# Altium PCB Control_Board_Model_C204.PcbDoc (part 4 of 6)
Units mm, origin at the board's own origin, x right, y up, seen from the top; angles counter-clockwise.
Board outline 50 x 50 mm, 8 copper layers (1-Top, 2-GND, 3-SIGNAL, 4-PWR, 5-GND, 6-SIGNAL, 7-GND, 8-Bottom), stack 0.972 mm thick; 432 components, 324 nets, 1521 pads, 1172 vias.
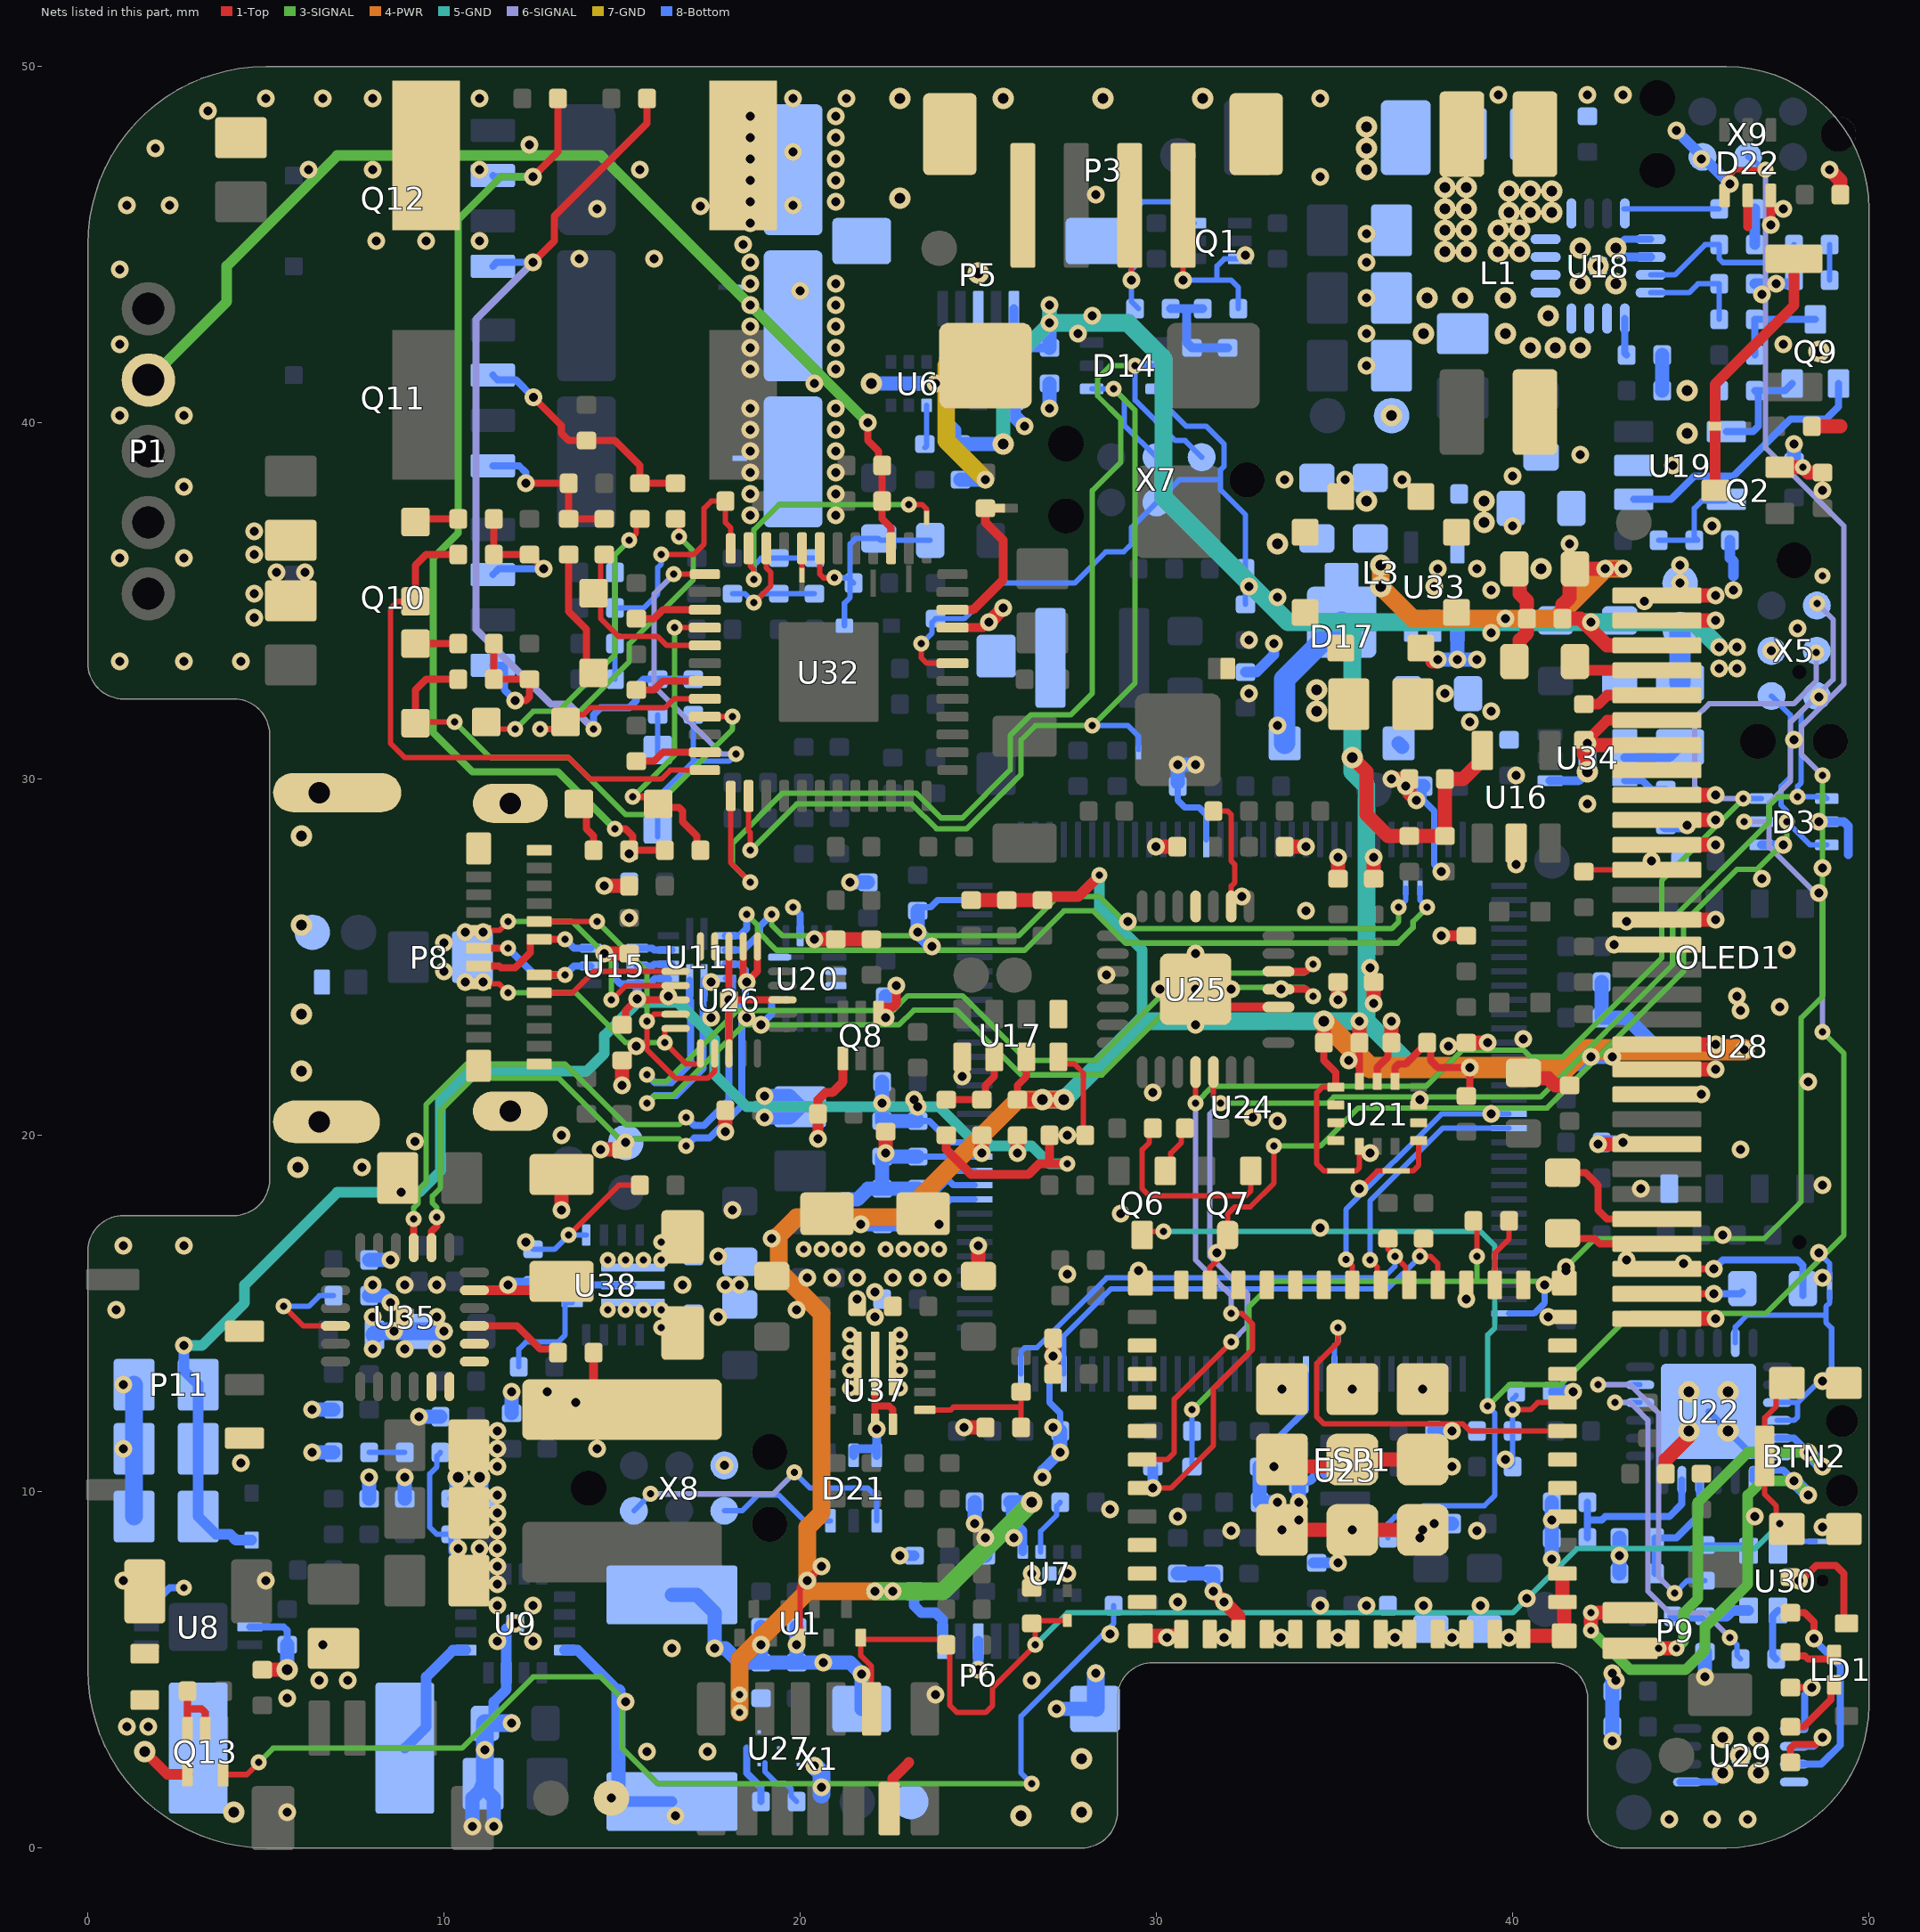
[diagram p10: the nets of this part, all layers, seen from the top]

## Via types
v1: diameter 0.45, hole 0.2, 1-Top to 8-Bottom, tented both sides, 333 vias
v2: diameter 0.5, hole 0.25, 7-GND to 8-Bottom, tented bottom, 258 vias
v3: diameter 0.6, hole 0.3, 1-Top to 8-Bottom, tented both sides, 236 vias
v4: diameter 0.5, hole 0.25, 1-Top to 2-GND, tented top, 231 vias
v5: diameter 0.5, hole 0.25, 1-Top to 8-Bottom, tented both sides, 113 vias
v6: diameter 0.45, hole 0.2, 1-Top to 2-GND, tented top, 1 vias

## Nets (pads, with @x,y where several pads share a name; then routed paths per layer and width w, separated by ;. In a path a pad name is that pad's centre, name@x,y a point inside that pad or via, vN(x,y) a via of type N, cw(c..) or ccw(c..) an arc to the next point about the centre after c; other vN are vias at no path point) (continued)
+3V3_AUX: C36.1 C37.1 C41.2 C42.2 C64.2 C66.2 C79.2 C80.1 C122.2 C157.1 NT6.2 P5.5 P6.5 R1.2 R2.2 R3.2 R4.2 R16.1 R17.1 R18.1 R91.1 R160.2 R174.2 TP8.1 U6.5 U7.5 U16.5 U17.7 U21.5 U21.8 U27.4 U34.1 | length 145.8
  1-Top w0.152: NT6.2@35,19 34.7,19 34.5,19.2 34.5,21.2 34.65,21.35 U21.8@35.037,21.35
  1-Top w0.2: C66.2@26.1,21 26.1,21.4 26.35,21.65 U17.7@26.35,22.2 ; C80.1@34.7,22.6 34.7,22.1 35.037,21.763 U21.8@35.037,21.35 ; U21.5@36.7,21.513 36.7,21.9 36.8,22 37,22 C79.2@37.6,22.6 37.7,22.5 37.7,22.1 37.9,21.9 v5(38.8,21.9) 38.8,21.2 R18.1@38.7,21.1
  1-Top w0.3: R91.1@26.8,26.6 26.9,26.7 27.8,26.7 v1(28.4,27.3)
  1-Top w0.4: R3.2@24.8,26.6 R4.2@25.8,26.6 R91.1@26.8,26.6 ; C66.2@26.1,21 v3@26.7,21 ; v3(26.8,21) v3(27.4,21) ; C80.1@34.7,22.6 v3(34.7,23.2) ; v3(35.5,30.6) 35.9,30.2 35.9,29 36.498,28.402 37.1,28.402 R1.2@37.1,28.4 R2.2@38.1,28.4 C64.2@38.1,30 38.6,30 39.15,30.55 U16.5@39.15,30.8
  3-SIGNAL w0.5: v5(22.1,7.2) v5(22.6,7.2) 24,7.2 v3(26.5,9.7)
  4-PWR w0.5: v1(18.3,3.8) v1(18.3,4.3) 18.3,5.3 20.2,7.2 ; v5(22.6,7.2) v5(22.1,7.2) 20.2,7.2 ; v3(27.4,21) v3(26.8,21) 26.1,21 22.8,17.7 19.9,17.7 19.4,17.2 19.4,16.2 20.6,15 20.6,9.4 20.2,9 20.2,7.2
  4-PWR w0.6: v3(34.7,23.2) 36,21.9 v5(38.8,21.9) 41.5,21.9 42,22.4 v5(46.5,22.4)
  5-GND w0.3: v1(28.4,27.3) 28.4,26.4 29.6,25.2 29.6,23.2
  5-GND w0.4: v3(25.7,39.4) 25.7,41.5 v5(27,42.8) v5(27,43.3)
  5-GND w0.5: v3(26.8,21) v3(27.4,21) 29.6,23.2 v3(34.7,23.2) 35.9,23.2 ; v5(27,42.8) 29.2,42.8 30.2,41.8 30.2,37.9 33.7,34.4 35.5,34.4 ; v5(38.8,21.9) 37.2,21.9 35.9,23.2 ; v5(45.8,33.7) 45.1,34.4 35.5,34.4 ; 35.5,34.4 v3(35.5,30.6) 35.5,30.2 35.9,29.8 35.9,23.2
  8-Bottom w0.2: 18.5,2.8 18.5,2.1 18.9,1.7 R160.2@18.9,1.3
  8-Bottom w0.25: U6.5@24.05,40.49 24.05,40.15 24.4,39.8 24.4,39.5 C36.1@24.5,39.4 ; C37.1@25.9,9.7 25.9,9.25 26.25,8.9 U7.5@26.25,8.31 ; P5.5@26,43.2 26,42.5 26.4,42.1 C41.2@27,42.1
  8-Bottom w0.3: C42.2@23.2,7.2 23.2,6.8 23.4,6.6 23.8,6.6 24,6.4 P6.5@24,5.8
  8-Bottom w0.4: v5(22.1,7.2) v5(22.6,7.2) C42.2@23.2,7.2 ; C36.1@24.5,39.4 v3(25.7,39.4) ; C37.1@25.9,9.7 v3(26.5,9.7) ; C41.2@27,42.1 v5(27,42.8) v5(27,43.3) ; R16.1@42.5,24.3 R17.1@42.5,23.3 43.2,23.3 44.1,22.4 v5(46.5,22.4)
  8-Bottom w0.6: R174.2@44.7,32.7 TP8.1@44.7,34.2
  other v5: 45.8,33.1 46.3,33.1 46.3,33.7
\CP2102_RST: R106.2 U25.9 | length 3.2
  1-Top w0.152: R106.2@31.6,29.1 32,29.1 32.1,29 32.1,27.7 32.2,27.6 32.2,27.1 32.1,27 U25.9@32.1,26.424
\ESP32_RST: C109.2 ESP1.8 R107.1 R108.2 | length 3.6
  1-Top w0.152: v1(40,12.3) 40.5,12.3 40.7,12.5 ESP1.8@41.4,12.5
  8-Bottom w0.152: R108.2@39.9,10.7 40,10.8 v1(40,12.3) 40,12.6 C109.2@40.1,12.7
\RST: D3.5 Q6.3 R56.2 R107.2 X5.1 | length 54.3
  1-Top w0.152: Q6.3@29.6,17.2 29.7,17.3 v1(30.2,17.3)
  3-SIGNAL w0.152: v1(39.3,12.4) 39.9,13 41.341,13 43.341,15 47.1,15 49.3,17.2 49.3,22.3 v1(48.7,22.9)
  6-SIGNAL w0.152: v1(46.5,28.8) 47.2,28.8 ; v1(48.55,34.925) 48.995,34.48 48.995,32.795 47.8,31.6 47.8,29.941 47.2,29.341 47.2,28.8 ; v1(48.7,22.9) 48.7,26.6 47.2,28.1 47.2,28.8
  5-GND w0.152: v1(30.2,17.3) 39.1,17.3 39.5,16.9 39.5,14.6 39.3,14.4 v1(39.3,12.4)
  8-Bottom w0.152: R56.2@36.5,8.7 36.5,9.1 36.7,9.3 37.2,9.3 37.504,9.604 38.593,9.604 38.597,9.6 39.003,9.6 39.007,9.604 39.204,9.604 39.5,9.9 39.5,11.7 ; R107.2@39,11.7 39.5,11.7 ; v1(39.3,12.4) 39.5,12.2 39.5,11.7 ; v1(46.5,28.8) D3.5@46.98,28.8 ; v1(48.55,34.925) 48.59,34.925 X5.1@48.6,34.935
\STM32_RST: D22.1 R15.2 R55.1 R105.1 X9.3 | length 56.8
  1-Top w0.152: R55.1@38.9,17.6 39,17.5 v1(39,16.6) ; D22.1@45.95,46.38 45.95,46.815 46.235,47.1 v1(47.1,47.1)
  3-SIGNAL w0.152: v1(31,12.3) 32.6,13.9 32.6,15.2 33.3,15.9 39,15.9 ; v1(39,16.6) 39,15.9 ; v1(48.7,30.1) 48.7,23.9 48.1,23.3 48.1,18.141 47.059,17.1 42.3,17.1 41.1,15.9 39,15.9
  6-SIGNAL w0.152: v1(47.1,47.1) 47.1,39.3 49.3,37.1 49.3,32.669 48.105,31.474 48.105,30.695 v1(48.7,30.1)
  8-Bottom w0.152: R105.1@31,10.7 R15.2@31,11.7 v1(31,12.3) ; X9.3@46.6,47.465 v1(47.1,47.1)
\SUSP_B: U25.11
`NRST: C137.2 D14.6 R165.1 R166.2 U32.7 X7.3 | length 19.7
  1-Top w0.152: v1(23.4,33.8) 23.4,33.4 23.55,33.25 U32.7@24.275,33.25
  8-Bottom w0.152: v1(23.4,33.8) 23.7,34.1 23.7,34.4 C137.2@23.8,34.5 24.6,34.5 25.6,35.5 27.7,35.5 28.578,36.378 29.078,36.378 29.3,36.6 29.3,37.065 X7.3@30,37.765 30.635,38.4 31.799,38.4 ; D14.6@30.02,40.95 30.15,40.95 30.2,40.9 30.2,40.535 30.835,39.9 31.4,39.9 31.9,39.4 31.9,38.785 31.8,38.685 31.8,38.401 31.8,38.117 32.5,37.417 R166.2@32.5,35.9 R165.1@32.5,34.9
`SWD_CLK: D14.1 J11.1 U32.38 X7.4 | length 28.8
  1-Top w0.152: v1(18.6,28) 18.6,28.5 18.55,28.55 U32.38@18.55,29.525 U32.38@18.6,29.475
  3-SIGNAL w0.152: v1(18.6,28) 19.9,29.3 23.131,29.3 23.826,28.605 24.674,28.605 26.2,30.131 26.2,31.1 26.6,31.5 v1(28.2,31.5) 29.4,32.7 29.4,40.35 v1(28.8,40.95)
  8-Bottom w0.152: D14.1@28.18,40.95 v1(28.8,40.95) 29.096,40.654 29.096,39.939 X7.4@30,39.035 ; v1(28.2,31.5) 29.2,31.5 29.5,31.2 J11.1@29.5,30.832
`SWD_IO: D14.5 U32.37 X7.2 | length 31.7
  1-Top w0.152: U32.37@18.05,29.525 18.05,27.65 v1(18.6,27.1)
  3-SIGNAL w0.152: v1(18.6,27.1) 18.1,27.6 18.1,28.2 19.504,29.604 23.257,29.604 23.952,28.909 24.548,28.909 25.896,30.257 25.896,31.226 26.474,31.804 27.6,31.804 28.2,32.404 28.2,38.1 29,38.9 29,40.1 28.347,40.753 28.347,41.247 28.7,41.6 v1(29.4,41.6)
  8-Bottom w0.152: D14.5@30.02,41.6 v1(29.4,41.6) 29.4,40.63 30.53,39.5 30.805,39.5 X7.2@31.27,39.035
BLDC_TS: C138.2 P1.4 R168.1 U32.15 | length 30.3
  1-Top w0.203: v5(21.9,40) 21.9,39.5 22.2,39.2 22.2,38.9 R168.1@22.3,38.8 C138.2@22.3,37.8 22.3,37.3 22.55,37.05 U32.15@22.55,36.475
  3-SIGNAL w0.3: P1.4@1.7,41.2 3.9,43.4 3.9,44.4 7,47.5 14.4,47.5 v5(21.9,40)
CLKOUT: U17.1
CONN_CC1: P8.A5 U26.4 U26.7 | length 9.5
  1-Top w0.152: P8.A5@12.67,26 v1(14.3,26) ; U26.4@16.5,23.4 15.9,23.4 v1(15.7,23.2) 15.7,22.4 16.5,21.6 17.4,21.6 17.6,21.8 U26.7@17.6,22.3
  3-SIGNAL w0.152: v1(14.3,26) 15.7,24.6 v1(15.7,23.2)
CONN_CC2: P8.B5 U26.5 U26.6 | length 8.2
  1-Top w0.152: P8.B5@10.97,24.25 11.55,24.25 v1(11.8,24) ; U26.5@16.5,23 16.2,23 v1(16.2,22.6) 16.8,22 17.2,22 U26.6@17.2,22.3
  3-SIGNAL w0.152: v1(11.8,24) 13.7,24 15.1,22.6 v1(16.2,22.6)
CONN_D_N: P8.A7 P8.B7 U15.5 | length 4.3
  1-Top w0.2: P8.B7@10.97,25.25 v1(11.8,25.25) ; P8.A7@12.67,24.5 v1(13.4,24.5)
  8-Bottom w0.2: v1(11.8,25.25) 12.55,24.5 v1(13.4,24.5) 13.65,24.75 U15.5@14.125,24.75
CONN_D_P: P8.A6 P8.B6 U15.6 | length 3.8
  1-Top w0.2: P8.B6@10.97,24.75 11.55,24.75 11.6,24.7 12,24.7 12.425,25.125 12.425,25.5 P8.A6@12.67,25.5 v1(13.4,25.5)
  8-Bottom w0.2: v1(13.4,25.5) 13.65,25.25 U15.6@14.125,25.25
CONN_SBU1: P8.A8 U26.1 | length 4.1
  1-Top w0.152: P8.A8@12.67,24 13.6,24 14.2,24.6 U26.1@16.5,24.6
CONN_SBU2: P8.B8 U26.2 | length 7.4
  1-Top w0.152: P8.B8@10.97,25.75 11.55,25.75 v1(11.8,26) ; v1(14.7,23.8) 15.1,24.2 U26.2@16.5,24.2
  3-SIGNAL w0.152: v1(11.8,26) 13.6,26 14.7,24.9 v1(14.7,23.8)
D1_N: NT2.2 U11.4 | length 21.8
  3-SIGNAL w0.152: v1(19.2,26.2) 19.2,25.9 19.5,25.6 26.131,25.6 27.233,26.702 28.398,26.702 29.3,25.8 36.6,25.8 36.8,26 v1(36.8,26.4)
  8-Bottom w0.152: v1(36.8,26.4) 37,26.6 NT2.2@37,26.944
  8-Bottom w0.2: U11.4@17.9,25.2 18.402,25.2 18.855,25.653 18.855,25.855 v1(19.2,26.2)
D1_P: NT1.2 U11.3 | length 22.7
  3-SIGNAL w0.152: v1(18.5,26.2) 18.798,25.902 18.798,25.733 19.333,25.198 26.298,25.198 27.4,26.3 28.231,26.3 29.133,25.398 36.767,25.398 37.202,25.833 37.202,26.002 v1(37.6,26.4)
  8-Bottom w0.152: NT1.2@37.4,26.944 37.4,26.6 v1(37.6,26.4)
  8-Bottom w0.2: U11.3@17.9,25.6 18.3,25.6 18.5,25.8 v1(18.5,26.2)
D2_N: U11.6 U35.3 | length 17.8
  1-Top w0.2: U35.3@9.15,16.85 v1(9.15,17.65)
  3-SIGNAL w0.152: v1(9.15,17.65) 9.15,17.976 9.274,18.1 9.274,18.467 9.498,18.69 9.498,20.867 10.633,22.002 13.398,22.002 15.099,20.301 16.601,20.301 v1(16.8,20.5)
  8-Bottom w0.2: v1(16.8,20.5) 17.022,20.278 17.3,20.278 18,20.977 18,23.9 18.1,24 U11.6@18.1,24.4
D2_P: U11.5 U35.2 | length 18.6
  1-Top w0.2: U35.2@9.65,16.85 9.65,17.3 9.8,17.45 v1(9.8,17.7)
  3-SIGNAL w0.152: v1(9.8,17.7) 9.8,17.976 9.676,18.1 9.676,18.3 9.9,18.524 9.9,20.7 10.8,21.6 13.231,21.6 14.932,19.899 16.601,19.899 v1(16.8,19.7)
  8-Bottom w0.2: v1(16.8,19.7) 17.022,19.923 17.447,19.923 18.355,20.83 18.355,23.753 18.455,23.853 18.455,24.645 18.3,24.8 U11.5@17.9,24.8
D3_N: U11.8 U25.5 | length 26.6
  1-Top w0.2: U25.5@33.424,24.6 34.2,24.6 v1(34.4,24.8)
  3-SIGNAL w0.152: v1(15.7,21.7) 15.9,21.5 16.231,21.5 18.233,23.502 22.602,23.502 23.018,23.918 24.551,23.918 26.369,22.1 28.3,22.1 30.751,24.551 34.151,24.551 v1(34.4,24.8)
  8-Bottom w0.2: v1(15.7,21.7) 15.924,21.476 16.378,21.476 16.922,22.021 16.922,23.778 16.9,23.8 U11.8@16.9,24.35
D3_P: U11.7 U25.4 | length 27.2
  1-Top w0.2: U25.4@33.424,24.1 34.2,24.1 v1(34.4,23.9)
  3-SIGNAL w0.152: v1(15.7,20.898) 15.9,21.098 16.398,21.098 18.4,23.1 22.769,23.1 23.185,23.515 24.385,23.515 26.202,21.698 28.467,21.698 30.918,24.149 34.151,24.149 v1(34.4,23.9)
  8-Bottom w0.2: v1(15.7,20.898) 15.924,21.121 16.525,21.121 17.277,21.874 17.277,23.778 17.3,23.8 U11.7@17.3,24.35
D_N: U11.10 U15.2 | length 1
  8-Bottom w0.2: U15.2@15.425,24.75 15.85,24.75 15.9,24.8 U11.10@16.4,24.8
D_P: U11.11 U15.1 | length 1
  8-Bottom w0.2: U15.1@15.425,25.25 15.85,25.25 15.9,25.2 U11.11@16.4,25.2
DEBUG.CTS/TMS: D21.4 X8.2 | length 8.2
  6-SIGNAL w0.152: v1(15.8,9.935) 19.235,9.935 v1(19.836,10.536)
  8-Bottom w0.152: X8.2@15.33,9.465 v1(15.8,9.935) ; v1(19.836,10.536) 20.268,10.105 21.895,10.105 22.15,9.85 D21.4@22.15,9.18
DEBUG.RTS/TDO: D21.6 X8.6 | length 3.5
  8-Bottom w0.152: X8.6@17.87,9.465 18.365,9.465 18.8,9.9 19.4,9.9 20.12,9.18 D21.6@20.85,9.18
EVI: R93.2 U17.8 | length 2.7
  1-Top w0.152: U17.8@27.25,22.2 27.45,22 27.7,22 27.946,21.754 27.946,20.054 R93.2@28,20
GND: BTN2.2 C1.1 C2.1 C3.2 C4.1 C5.2 C6.1 C7.1 C8.2 C9.2 C10.2 C11.2 C12.2 C13.2 C14.2 C15.2 C16.1 C35.1 C36.2 C37.2 C39.1 C40.1 C41.1 C42.1 C44.1 C45.1 C46.1 C47.1 C48.2 C49.2 C51.1 C58.1 C59.2 C60.1 C61.1 C62.1 C63.1 C64.1 C65.1 C66.1 C67.1 C68.1 C69.1 C70.1 C71.1 C72.1 C74.1 C75.1 C76.1 C77.2 C78.2 C79.1 C80.2 C81.1 C82.1 C83.1 C84.1 C85.1 C86.1 C87.1 C88.2 C89.1 C90.2 C91.1 C92.2 C93.1 C94.2 C95.2 C96.2 C97.1 C98.1 C99.1 C100.1 C101.2 C102.1 C103.1 C104.1 C105.1 C106.1 C107.1 C108.1 C109.1 C110.1 C111.1 C112.1 C116.2 C117.2 C118.1 C119.1 C121.1 C122.1 C123.1 C124.1 C125.1 C126.1 C127.2 C128.2 C130.1 C131.2 C133.2 C134.1 C150.1 C151.2 C153.1 C154.2 C155.2 C156.2 C157.2 C159.2 C163.1 C164.1 C165.1 C166.1 C167.1 C168.1 C169.1 C173.1 C174.1 C175.1 C176.1 C177.1 C178.1 C179.1 C180.1 D3.2 D3.4 D4.2 D19.2 D20.2 D21.2 D21.3 D22.2 D22.3 ESP1.1 ESP1.2 ESP1.11 ESP1.14 ESP1.36 ESP1.37 ESP1.38 ESP1.39 ESP1.40 ESP1.41 ESP1.42 ESP1.43 ESP1.44 ESP1.45 ESP1.46 ESP1.47 ESP1.48 ESP1.49 ESP1.50 ESP1.51 ESP1.52 ESP1.53 J3.1 J5.1 J6.1 J8.1 L1.4 L3.1 NT4.1 NT5.1 NT7.2 OLED1.1 OLED1.8 OLED1.10 OLED1.11 OLED1.12 OLED1.16 OLED1.17 OLED1.20 OLED1.21 OLED1.22 OLED1.23 OLED1.24 OLED1.25 OLED1.29 OLED1.30 P3.1 P3.S1 P3.S2 P5.0 P5.3 P6.0 P6.3 P8.A1 P8.A12 P8.B1 P8.B12 P8.S1 P8.S2 P8.S3 P8.S4 P11.3 Q2.2 Q8.1 Q8.4 Q13.1 R7.2 R27.2 R72.1 R74.1 R75.1 R76.1 R77.1 R78.1 R79.1 R80.1 R81.1 R82.1 R83.2 R84.2 R88.1 R89.1 R90.1 R94.1 R96.2 R97.2 R98.1 R102.2 R135.1 R136.1 R148.1 R156.1 R161.2 R172.1 R173.2 R175.2 R176.2 R178.1 R182.1 R184.1 TP13.1 TP14.1 TP15.1 TP16.1 TP17.1 TP18.1 U1.3 U6.9 U7.9 U8.2 U9.7 U9.17 U11.9 U15.3 U16.2 U17.5 U18.5 U18.6 U18.10 U18.11 U18.12 U18.13 U18.14 U18.17 U19.2 U20.9 U20.14 U21.6 U21.7 U22.24 U22.25 U23.2 U24.12 U24.30 U24.42 U24.46 U24.63 U24.78 U24.94 U24.110 U24.127 U25.3 U25.29 U26.8 U26.13 U26.16 U26.17 U26.18 U26.21 U27.2 U27.5 U28.4 U29.5 U29.9 U30.3 U33.2 U34.4 U34.7 U35.17 U35.18 U35.25 U37.2 U37.9 U37.10 U38.2 U38.9 U38.10 X1.9 X5.4 X8.5 X9.5 | length 213.4
  1-Top w0.152: U1.3@20,5.9 20,7.3 ; v4(35.7,18.5) 36.2,19 NT7.2@36.544,19
  1-Top w0.2: U26.8@18,22.3 v4(18,23.8) ; U26.18@18,25.3 v4(18,23.8) ; U26.17@18.4,25.3 18.4,24.4 v4(18.5,24.3) 18.8,24.6 U26.16@18.8,25.3 ; U26.13@19.5,23.8 v4(18,23.8) ; 20,7.3 v4(20.2,7.5) v4(20.6,7.9) ; U37.9@22.1,11.895 22.1,12.4 ; U37.2@22.1,13.6 22.1,12.4 ; U37.10@22.6,11.895 22.6,12.3 22.502,12.398 22.102,12.398 22.1,12.4 ; U21.7@35.7,21.513 C80.2@35.7,22.6 ; U21.6@36.2,21.513 36.2,21.9 36.5,22.2 36.5,22.5 C79.1@36.6,22.6
  1-Top w0.25: R81.1@20.5,20.6 20.5,21 20.7,21.2 20.9,21.2 21.2,21.5 Q8.1@21.2,22.16 ; Q8.4@22.2,23.44 22.2,23.6 22.6,23.6 22.7,23.7 v4(22.7,24.2) ; v4(31.1,24.1) 31.6,23.6 U25.3@33.424,23.6 ; 46.6,45.5 D22.2@46.6,46.38 ; v4(47.25,45.55) D22.3@47.25,46.38
  1-Top w0.3: v3(1.6,2.7) 2.24,2.06 Q13.1@2.8,2.06 ; v4(20.5,19.9) R81.1@20.5,20.6 ; X1.9@22.5,1.1 22.6,1.2 22.6,1.95 23.05,2.4 ; v4(38,25.6) C1.1@38.6,25.6 ; R161.2@42,31.1 42.1,31.1 42.65,31.65 OLED1.25@44.05,31.65
  1-Top w0.4: R156.1@4.9,5 v3(5.6,5) ; v4(13.3,17.9) C2.1@13.3,18.6 ; v4(14.4,19.6) R88.1@15,19.6 ; v4(14.5,25.1) R83.2@15.2,25.1 ; v4(14.5,27) R84.2@15.2,27 ; v4(15,21.4) C108.1@15,22.1 ; v4(17.9,20.1) C107.1@17.9,20.7 ; v4(20.4,25.5) C58.1@21,25.5 R82.1@22,25.5 ; v4(22.4,19.5) C60.1@22.4,20.1 ; v4(24.55,21.65) U17.5@24.55,22.2 ; v4(24.6,11.8) R182.1@25.2,11.8 ; C176.1@25,16.05 v4(25,16.9) ; v4(25.1,19.5) C65.1@25.1,20 ; v4(26.1,19.5) C66.1@26.1,20 ; C14.2@27.1,13.3 C61.1@27.1,14.3 ; ESP1.51@29.5,15.8 ESP1.51@29.55,15.85 ; ESP1.50@29.55,5.95 30.65,5.95 ESP1.36@30.7,6 ; v4(29.984,28.1) C10.2@30.584,28.1 ; v4@31.8,7 32.3,6.5 ESP1.38@32.3,6 ; v5(33.3,10.7) 35.3,10.7 ESP1.49@35.5,10.9 ESP1.49@37.475,10.9 ; v4(33.525,8.925) v4(35.5,8.925) v4(37.475,8.925) ; C102.1@33.6,28.1 v4(34.2,28.1) ; v4(35.1,23.8) C103.1@35.1,24.3 ; C106.1@35.1,27.2 v4(35.1,27.8) ; C80.2@35.7,22.6 v4(35.7,23.2) ; v4(36.1,23.7) C104.1@36.1,24.3 ; C105.1@36.1,27.2 v4(36.1,27.8) ; C79.1@36.6,22.6 v4(36.6,23.2) ; v4(36.6,30) C64.1@37.1,30 37.1,29.6 v4(37.3,29.4) ; R7.2@38.7,22.6 v4(39.3,22.6) ; C130.1@40.05,33.3 40.2,33.45 40.2,33.9 40.4,34.1 C133.2@40.4,34.5 40.4,35 40.2,35.2 40.2,35.75 C131.2@40.05,35.9 ; ESP1.48@40.3,6 40.35,5.95 ESP1.53@41.45,5.95 41.45,6.85 ESP1.1@41.4,6.9 ESP1.2@41.4,7.7 ; C127.2@40.3,21.75 40.45,21.6 41,21.6 41.2,21.4 C128.2@41.6,21.4 ; v3(42.1,30.2) 42.1,30.6 42,30.7 R161.2@42,31.1 42.15,30.95 OLED1.24@44.05,30.95 ; v4(42.4,19.75) OLED1.8@44.05,19.75 ; v4(42.85,25.35) OLED1.16@44.05,25.35 ; OLED1.1@44.05,14.85 v4(45.7,14.85) ; OLED1.10@44.05,21.15 v4(45.3,21.15) ; OLED1.11@44.05,21.85 v4(45.7,21.85) ; OLED1.12@44.05,22.55 v4(45.7,22.55) ; OLED1.17@44.05,26.05 v4(45.7,26.05) ; OLED1.20@44.05,28.15 v4(45.7,28.15) ; OLED1.21@44.05,28.85 v4(45.7,28.85) ; OLED1.22@44.05,29.55 v4(45.7,29.55) ; OLED1.29@44.05,34.45 v4(45.7,34.45) ; OLED1.30@44.05,35.15 v4(45.7,35.15) ; C84.1@44.3,10.5 44.3,10.9 44.95,11.55 v3(44.95,11.7) ; Q2.2@47.5,38.75 v6(48.15,38.75) 48.3,38.6 R27.2@48.7,38.6 ; C5.2@48.4,39.9 49.2,39.9 ; v5(48.9,47.1) 49.2,46.8 C169.1@49.2,46.4
  7-GND w0.5: 24.1,41.6 24.1,39.5 v2(25.2,38.4)
  8-Bottom w0.152: v2(48.6,16.7) 48.9,16.4 NT5.1@48.9,15.956 ; NT4.1@48.856,8.6 49.5,8.6
  8-Bottom w0.18: C99.1@23.3,20.4 23.63,20.4 24.23,19.8 U24.46@24.9,19.8 ; C96.2@23.3,26.3 23.4,26.4 23.655,26.4 23.855,26.6 U24.63@24.9,26.6 ; v2(23.9,17.5) 23.9,17.9 24.2,18.2 U24.42@24.9,18.2 ; U24.30@27,13.3 27,12.5 27.3,12.2 C89.1@27.3,11.7 ; C94.2@30.6,29.8 30.6,29.4 30.8,29.2 31.2,29.2 31.4,29 U24.78@31.4,28.3 ; C91.1@32.9,10.7 v5(33.3,10.7) 33.3,11.1 33.483,11.283 33.483,11.583 34.2,12.3 U24.12@34.2,13.3 ; C92.2@37.5,29.8 37.5,29.4 37.8,29.1 U24.94@37.8,28.3 37.8,27.6 v2(38,27.4) ; v2(38,27.4) v2@38.099,27.3 ; U24.127@39.9,15 40.6,15 40.9,15.3 v2(40.9,15.8) ; U24.110@39.9,21.8 40.8,21.8 41,22 C90.2@41.5,22 ; U22.25@45.5,12.25 v3(46.05,11.7) 46.75,11 U22.24@47.425,11
  8-Bottom w0.2: U8.2@4.55,6.2 4.55,6.198 5.502,6.198 5.6,6.1 C4.1@5.6,5.7 ; R74.1@10.2,9.8 R74.1@10.3,9.9 ; v3@10.3,10.3 v3(10.4,10.4) ; v3(11,10.4) v3@11.1,10.3 ; C44.1@11.1,9.9 C44.1@11.2,9.8 ; R184.1@12.5,15.8 13,15.8 ; U38.10@13.595,16.3 13.1,16.3 13,16.2 13,15.8 ; 14.8,24.8 14.8,24.4 14.95,24.25 U15.3@15.425,24.25 15.775,24.25 15.925,24.4 U11.9@16.3,24.4 v2(16.3,23.9) ; U38.2@15.3,15.8 U38.9@13.595,15.8 13,15.8 ; v2(18.9,23.1) 19.2,23.4 19.2,23.8 U20.9@19.4,23.8 ; v1(19.802,26.4) 20,26.202 U20.14@20,25.6 ; v3(42.9,44.9) 43.15,45.15 U18.5@43.875,45.15 ; U29.5@44.7,1.85 45.7,1.85 v3@45.7,2.1
  8-Bottom w0.25: v2(15.425,23.825) U15.3@15.425,24.25 ; D21.2@21.5,11.02 21.5,11.2 D21.3@22.15,11.2 ; D21.3@22.15,11.02 v2(22.15,11.75) ; C12.2@34,10.2 34.1,10.3 34.3,10.3 34.501,10.501 U23.2@34.85,10.501 ; U34.4@41.05,29.95 41.85,29.95 v3(42.1,30.2) ; v3(42.9,44.9) 43.15,44.65 U18.6@43.875,44.65 ; D3.4@46.98,28.15 v2(47.6,28.15) ; D3.2@48.82,28.8 49.3,28.8 49.427,28.673 49.427,27.884
  8-Bottom w0.3: R74.1@10.3,9.9 v3@10.3,10.3 ; C44.1@11.1,9.9 v3@11.1,10.3 ; C49.2@11.4,3.65 11.4,4.1 11.75,4.45 U9.7@11.75,4.915 11.75,6.15 ; v2(22.8,8.2) C42.1@23.2,8.2 ; v2(25,5) P6.3@25,5.8 ; v5(26.8,10.4) 26.8,10.6 v2(27.3,11.1) ; v2(29.9,10.1) C101.2@29.9,10.7 ; C11.2@32.5,33 32.806,33 33.3,33.494 v2(33.3,33.8) ; C63.1@34.4,8 v2(35.1,8) ; v2(40.9,15.8) C95.2@41.5,15.8 ; v2(44.595,48.2) X9.5@45.33,47.465 v2(46.095,46.7) ; C72.1@46.1,36.7 46.1,36.206 46.2,36.106 46.2,35.7 ; R97.2@46.8,43.9 v2(47.4,43.9) 47.8,43.9 C68.1@47.9,44 ; C71.1@46.8,45 C67.1@46.8,46
  8-Bottom w0.4: v3(5.6,5) C4.1@5.6,5.7 ; v2(6.3,11.1) C47.1@6.9,11.1 ; v2(6.3,12.3) R178.1@6.9,12.3 ; R72.1@7.9,9.8 v2(7.9,10.4) ; R175.2@7.9,15.5 8.3,15.5 v5(8.5,15.3) ; R176.2@7.9,16.5 v2(8.5,16.5) ; C46.1@8.9,9.8 v2(8.9,10.4) ; v2(9.3,12.1) C45.1@9.9,12.1 ; v2(10.8,0.6) 10.8,1.4 11.1,1.7 11.4,1.4 v2(11.4,0.6) ; v2(11.8,15.8) R184.1@12.5,15.8 ; R78.1@11.9,12.2 v2(11.9,12.8) ; R77.1@12.9,12.2 v2(12.9,12.8) ; v2(13.7,12.5) C168.1@14.3,12.5 ; R80.1@16.4,7.1 17.1,7.1 17.6,6.6 v2(17.6,5.6) 17.9,5.6 18.3,5.2 C122.1@18.9,5.2 ; R76.1@18.9,6.2 C122.1@18.9,5.2 ; v2(19,20.5) 19.7,20.5 C88.2@20,20.8 19.7,21.1 v2(19,21.1) ; R75.1@19.9,6.2 C123.1@19.9,5.2 ; v2(21.4,27.1) C77.2@21.9,27.1 ; v2(21.7,17.5) C98.1@22.3,17.5 C97.1@23.3,17.5 v2(23.9,17.5) ; P6.0@21.725,3.9 v2(21.725,4.875) 21.4,5.2 C123.1@19.9,5.2 ; v3(22,41.1) U6.9@23.3,41.1 ; C87.1@22.3,21.5 v2(22.3,20.9) C100.1@22.3,20.4 C99.1@23.3,20.4 ; v2(22.4,23.3) C78.2@22.4,23.9 ; C96.2@23.3,26.3 v2(23.3,25.7) v2(23.7,25.3) ; C36.2@24.5,38.4 v2(25.2,38.4) ; v2(24.9,9.1) C37.2@24.9,9.7 ; C40.1@25.2,8.2 v2(25.2,8.7) ; C39.1@26,40.6 26,40.2 v2(26.3,39.9) ; v5(27,40.4) C41.1@27,41.1 ; v2(27.2,3.9) P6.0@28.275,3.9 P6.0@28.3,3.925 ; v2(27.3,11.1) C89.1@27.3,11.7 ; C62.1@30.6,7.7 R89.1@31.6,7.7 v2(31.6,7.2) ; C94.2@30.6,29.9 v2(30.6,30.4) v2(31.1,30.4) ; C91.1@32.9,10.7 C13.2@32.9,9.7 v2(33.4,9.7) ; v2(34,9.2) v2(34,9.7) C12.2@34,10.2 ; v2(37,29.8) C92.2@37.5,29.8 ; v2(37.4,8.7) v2(37.8,9.1) C112.1@38.3,9.1 ; C86.1@37.8,10.7 v2(38.3,10.7) ; C93.1@37.8,11.7 v2(38.3,11.7) ; v2(41.1,8.1) C82.1@41.1,8.7 R102.2@41.1,9.7 ; C109.1@41.2,12.8 v2(41.7,12.8) ; C95.2@41.5,15.8 v2(41.5,16.3) ; C90.2@41.5,22 42,22 v2(42.2,22.2) v2(42.8,22.2) ; C8.2@42.5,19.8 v2(43.1,19.8) ; v2(42.8,3) v2(42.8,4.9) ; C85.1@43,7.7 v2(43,8.2) C83.1@43,8.7 ; R96.2@44.2,40.9 R94.1@44.2,41.9 ; C156.2@44.3,28.7 v2(44.9,28.7) ; v2(45.4,4.8) C134.1@45.4,5.5 ; C35.1@47.9,38.9 v2(47.9,39.4) ; C122.1@18.9,5.2 C123.1@19.9,5.2